# Altium PCB PCB_power.PcbDoc (part 1 of 2)
Units mil, origin at the board's own origin, x right, y up, seen from the top; angles counter-clockwise.
Board outline 3346.46 x 2204.72 mil, 6 copper layers (Top Layer, Layer 1, Layer 2, Layer 3, Layer 4, Bottom Layer), stack 32.112 mil thick; 134 components, 92 nets, 509 pads, 551 vias.
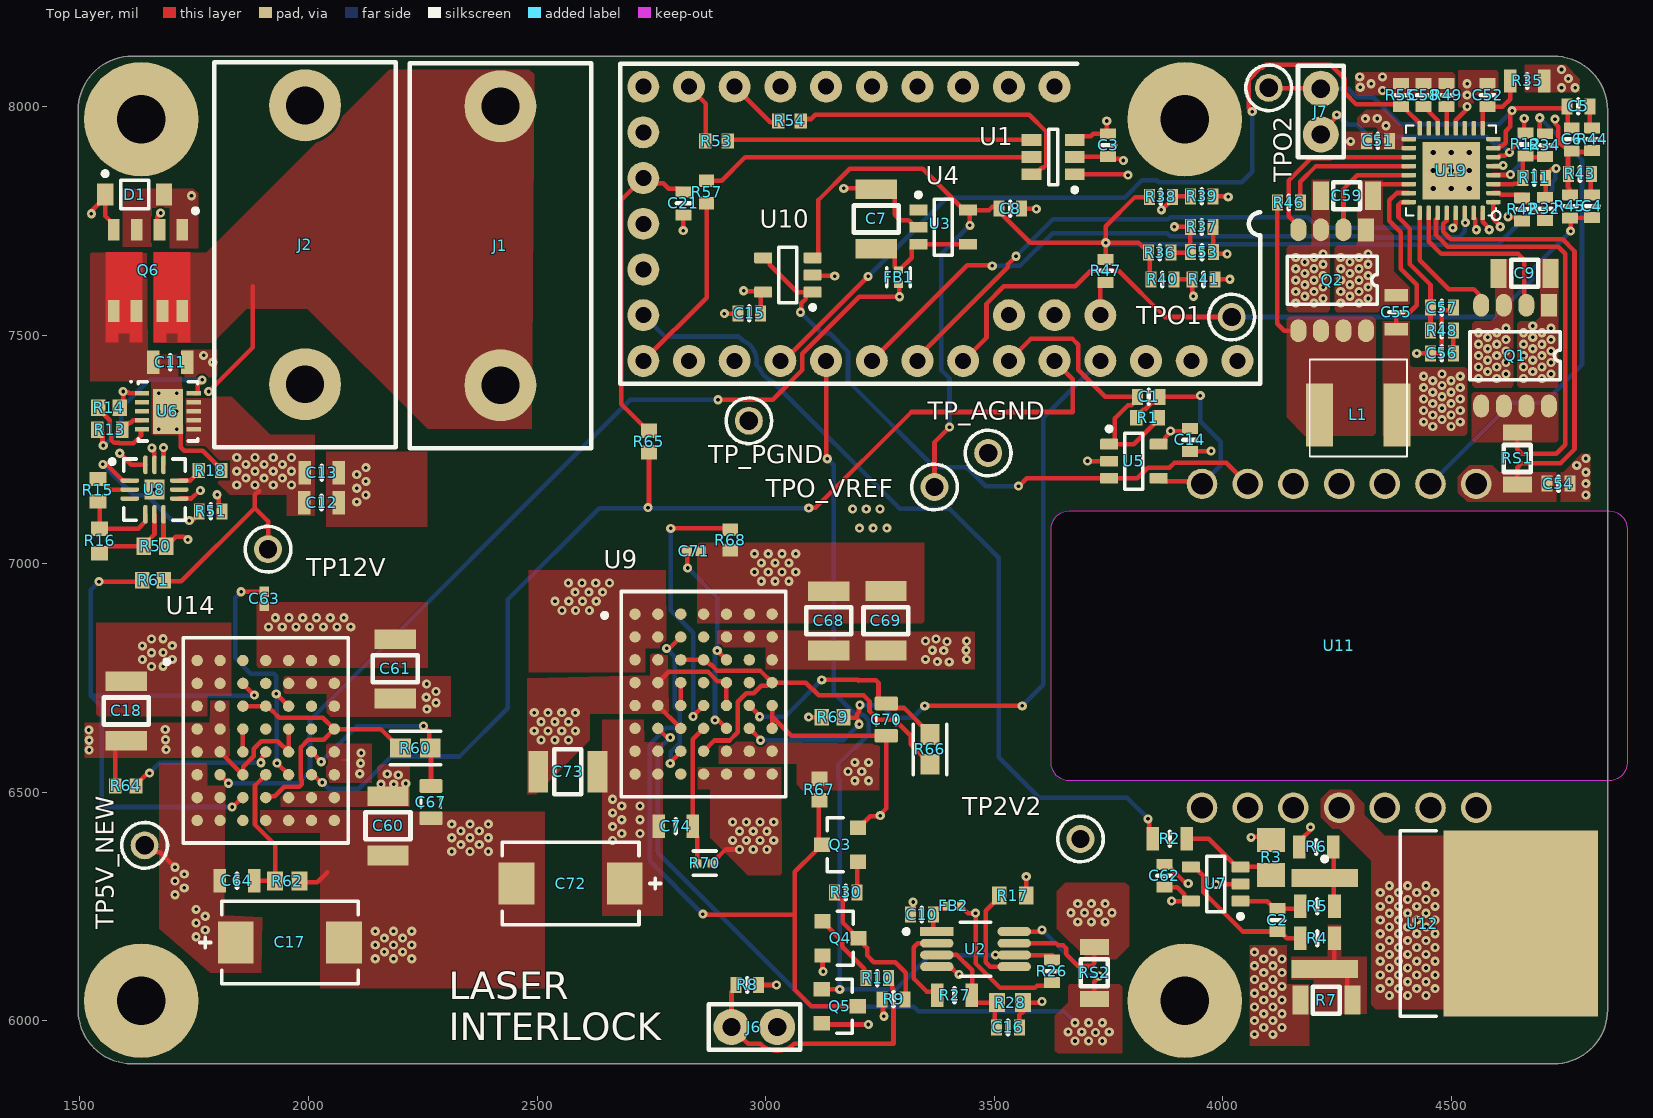
[diagram p0: Top Layer view]
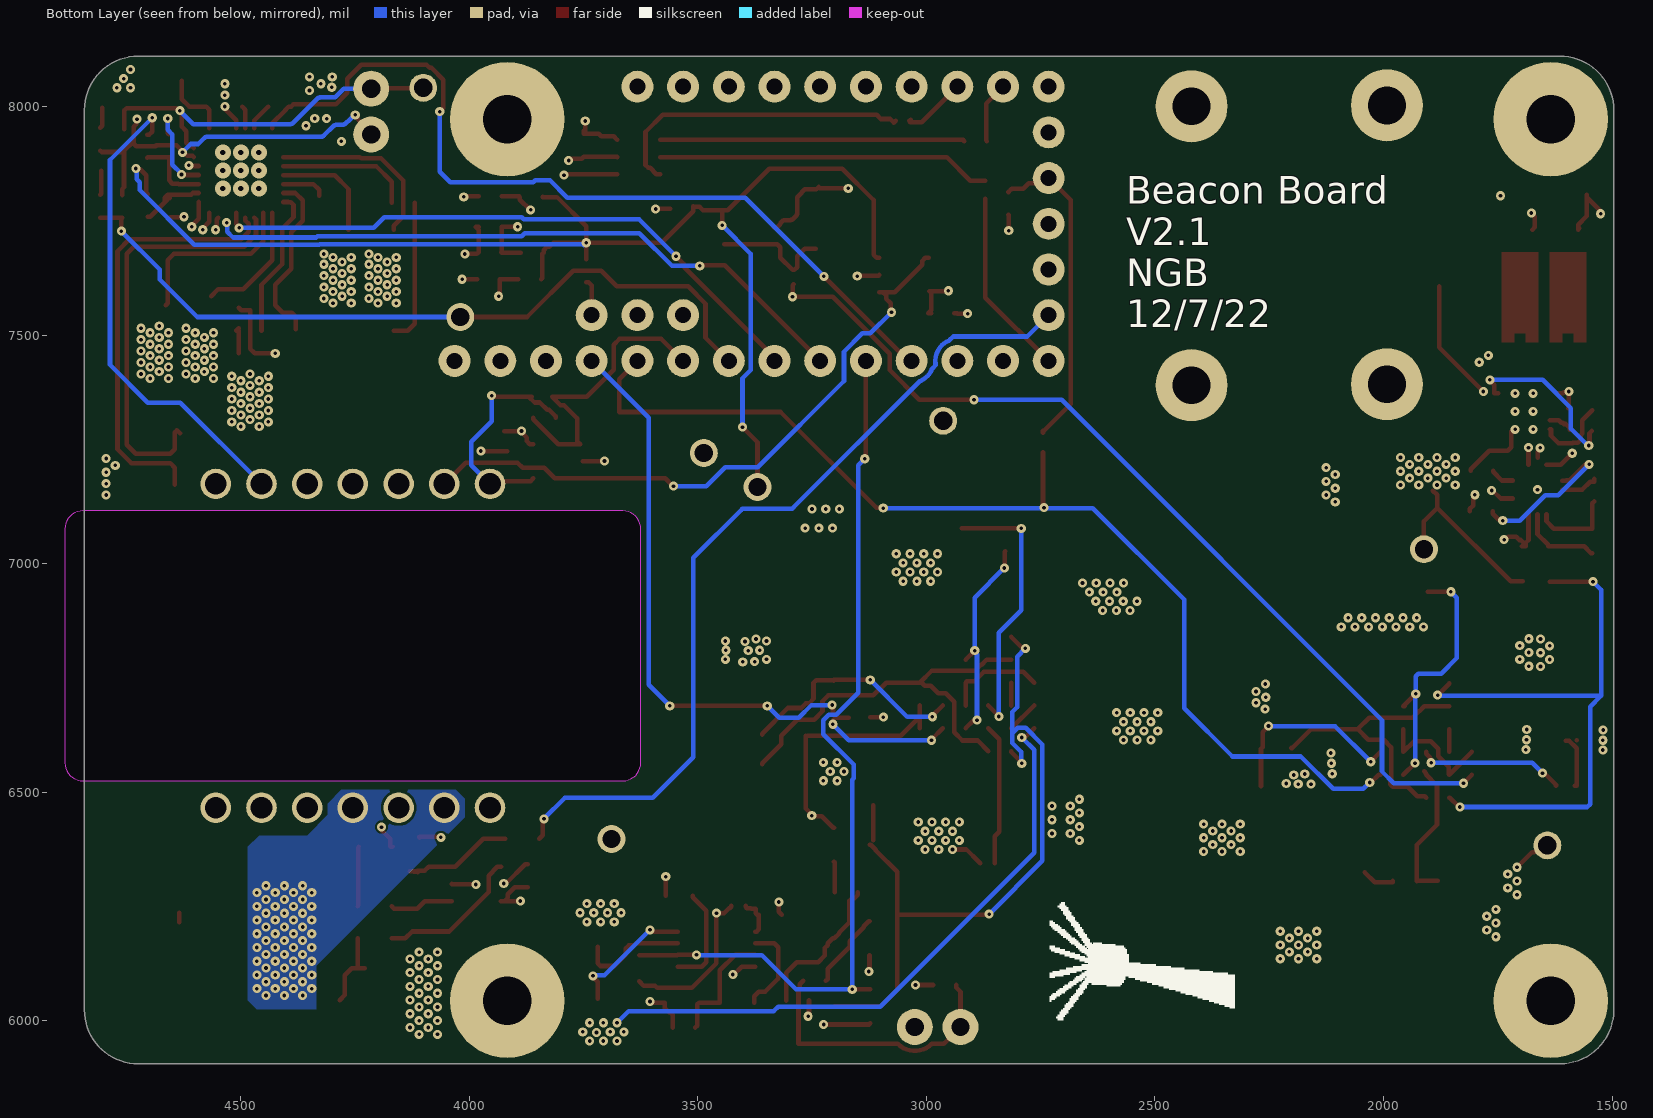
[diagram p1: Bottom Layer view, seen from below]
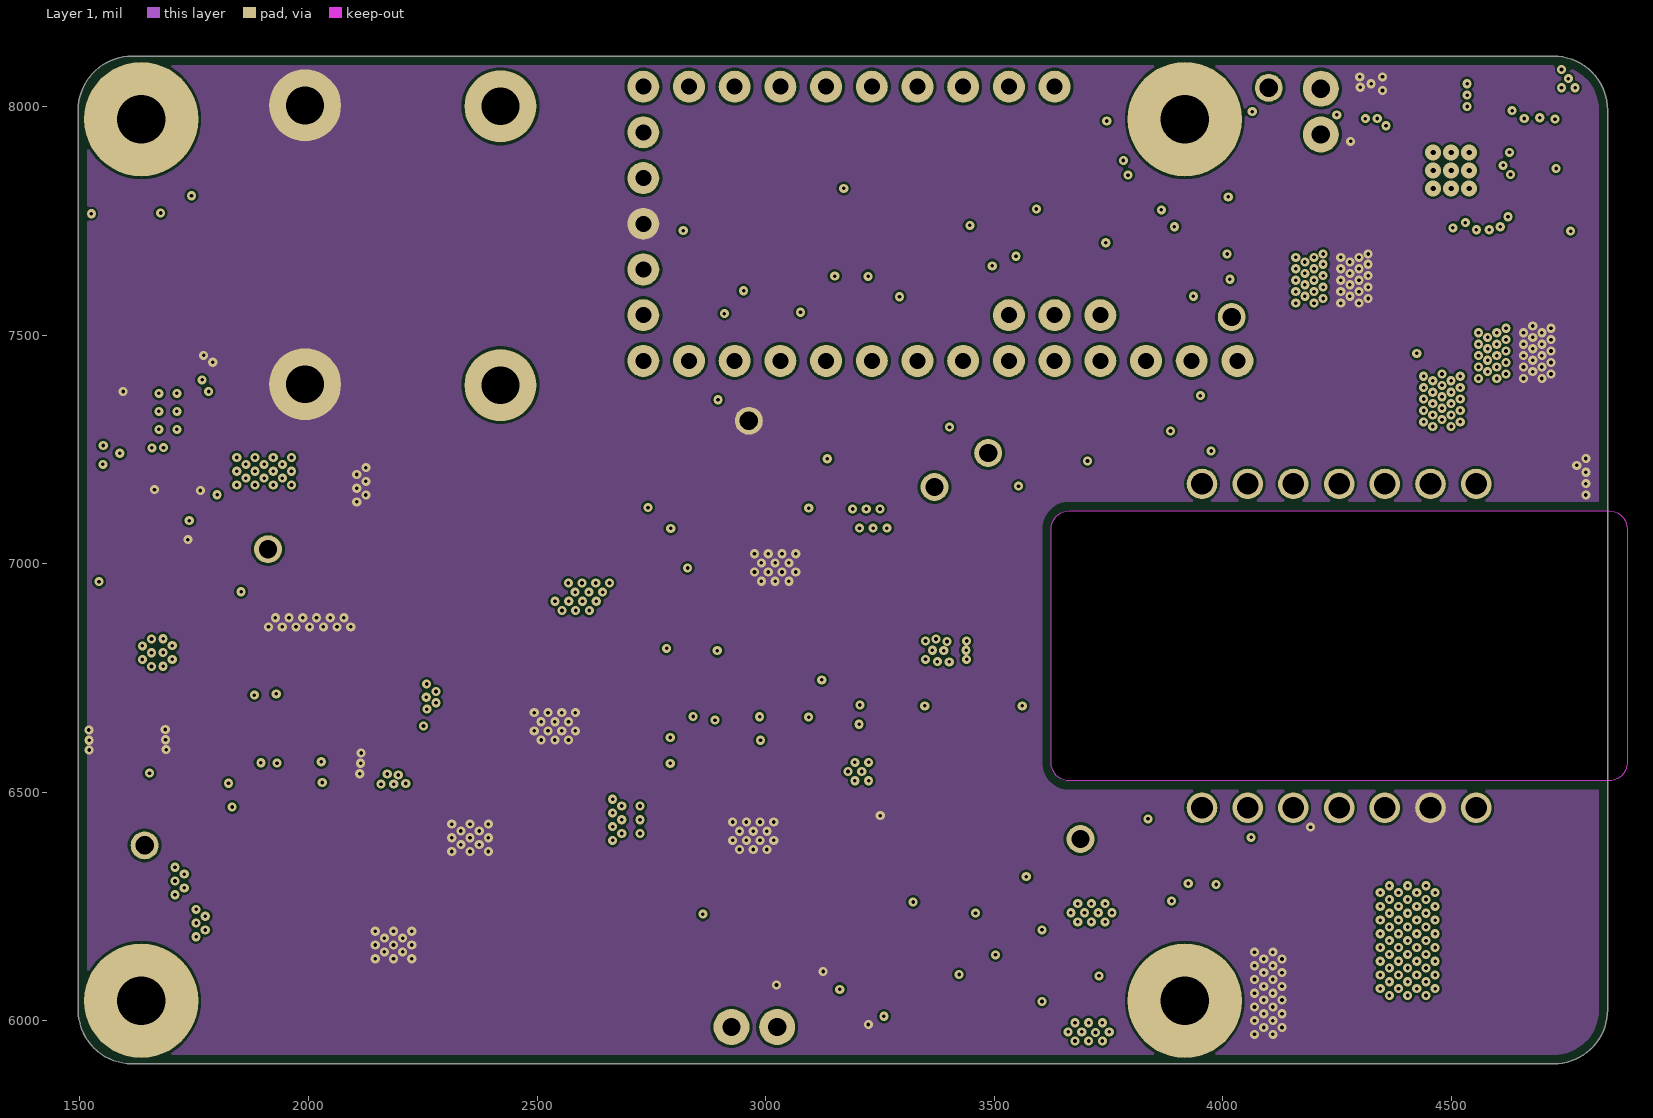
[diagram p2: Layer 1]
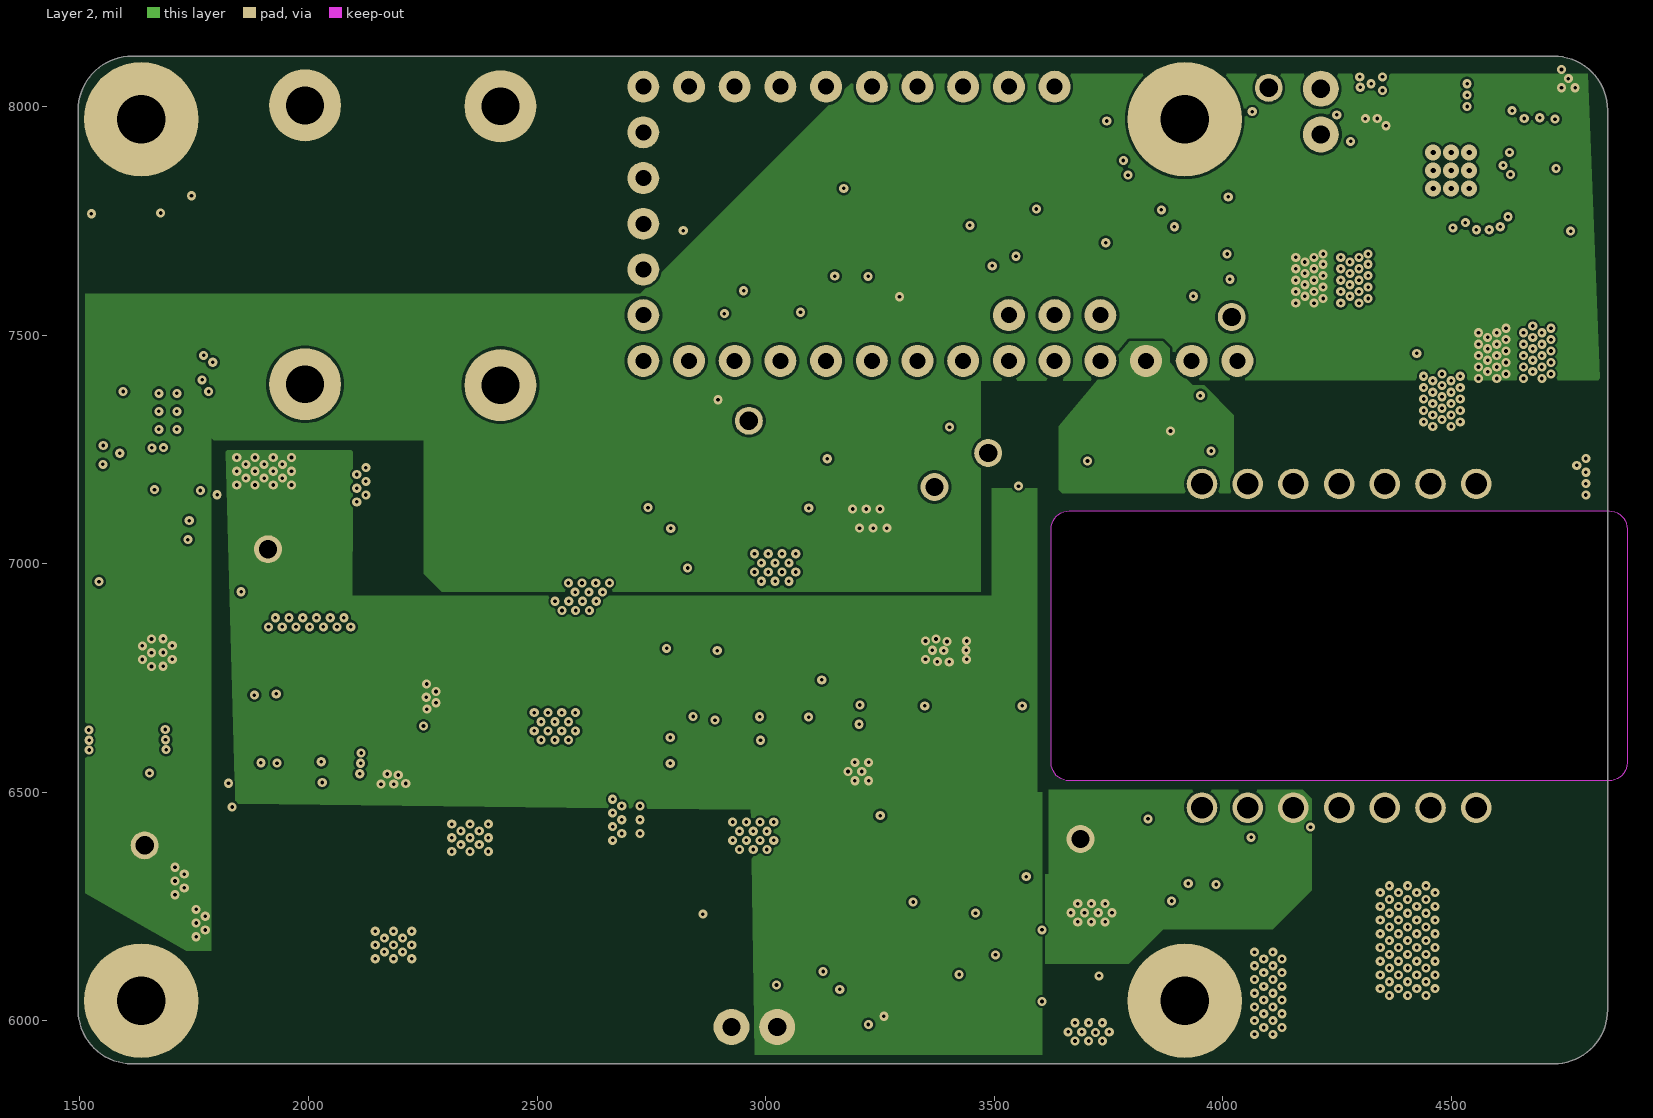
[diagram p3: Layer 2]
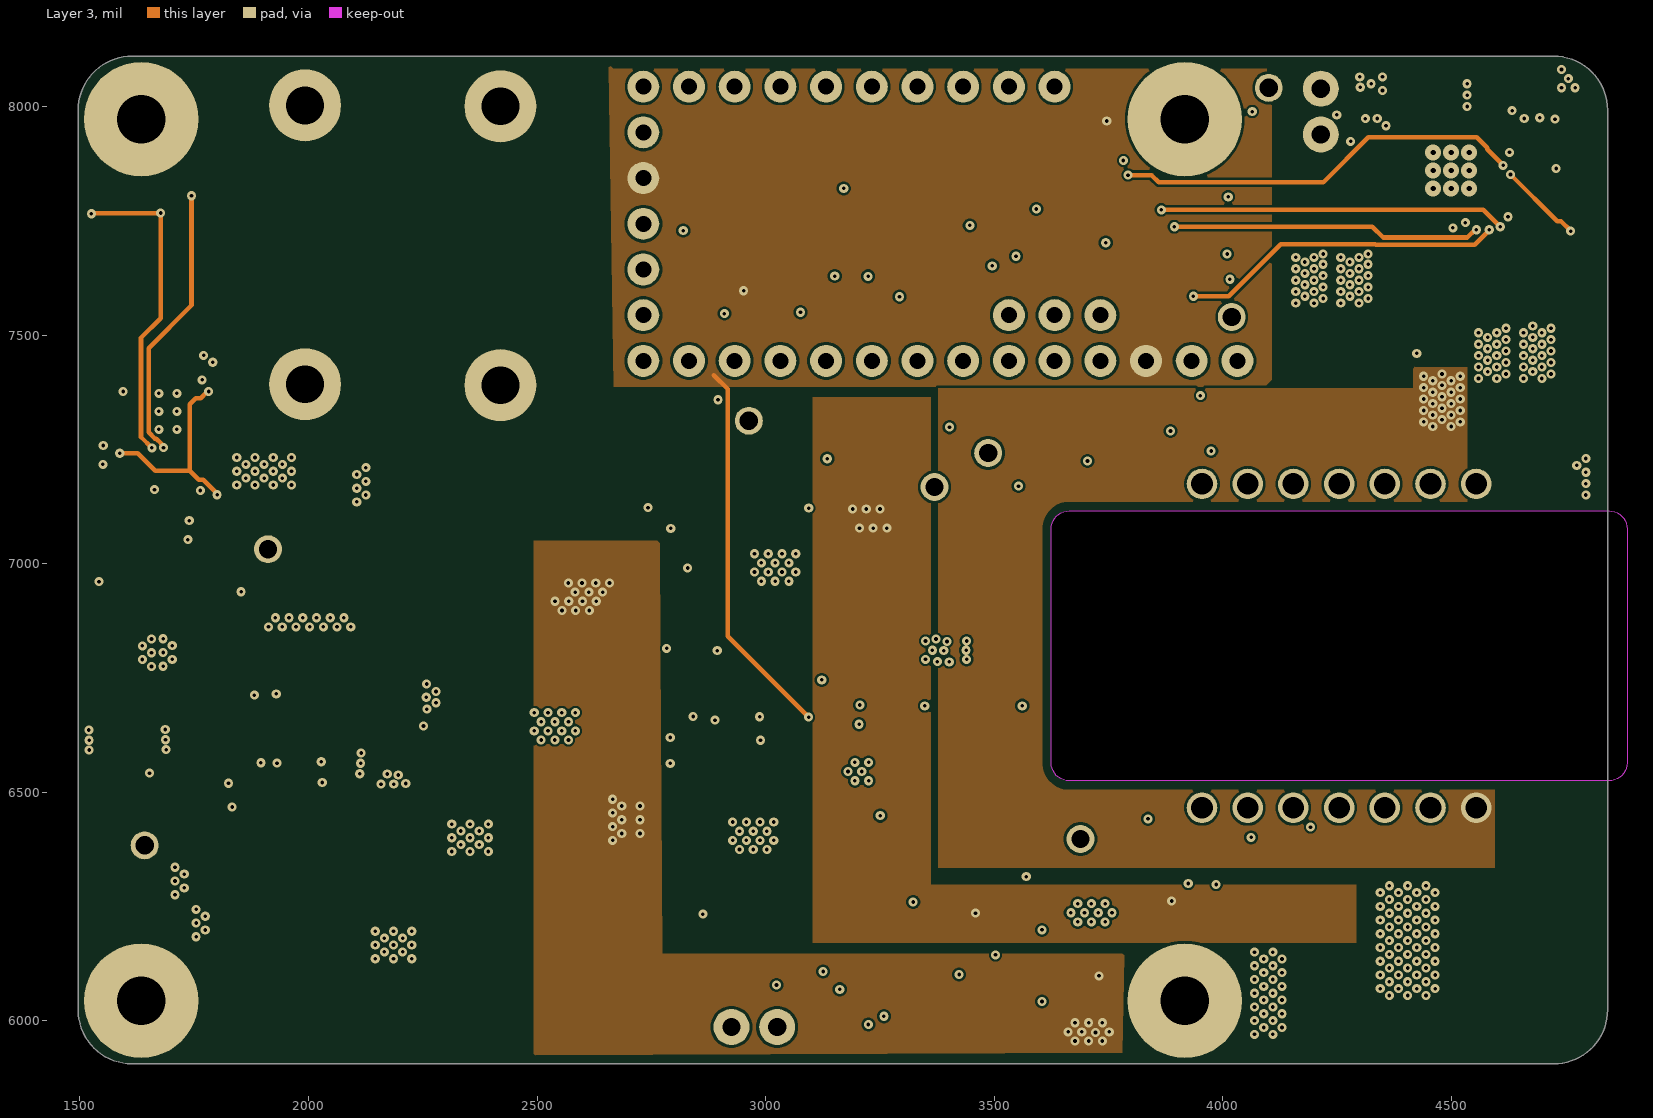
[diagram p4: Layer 3]
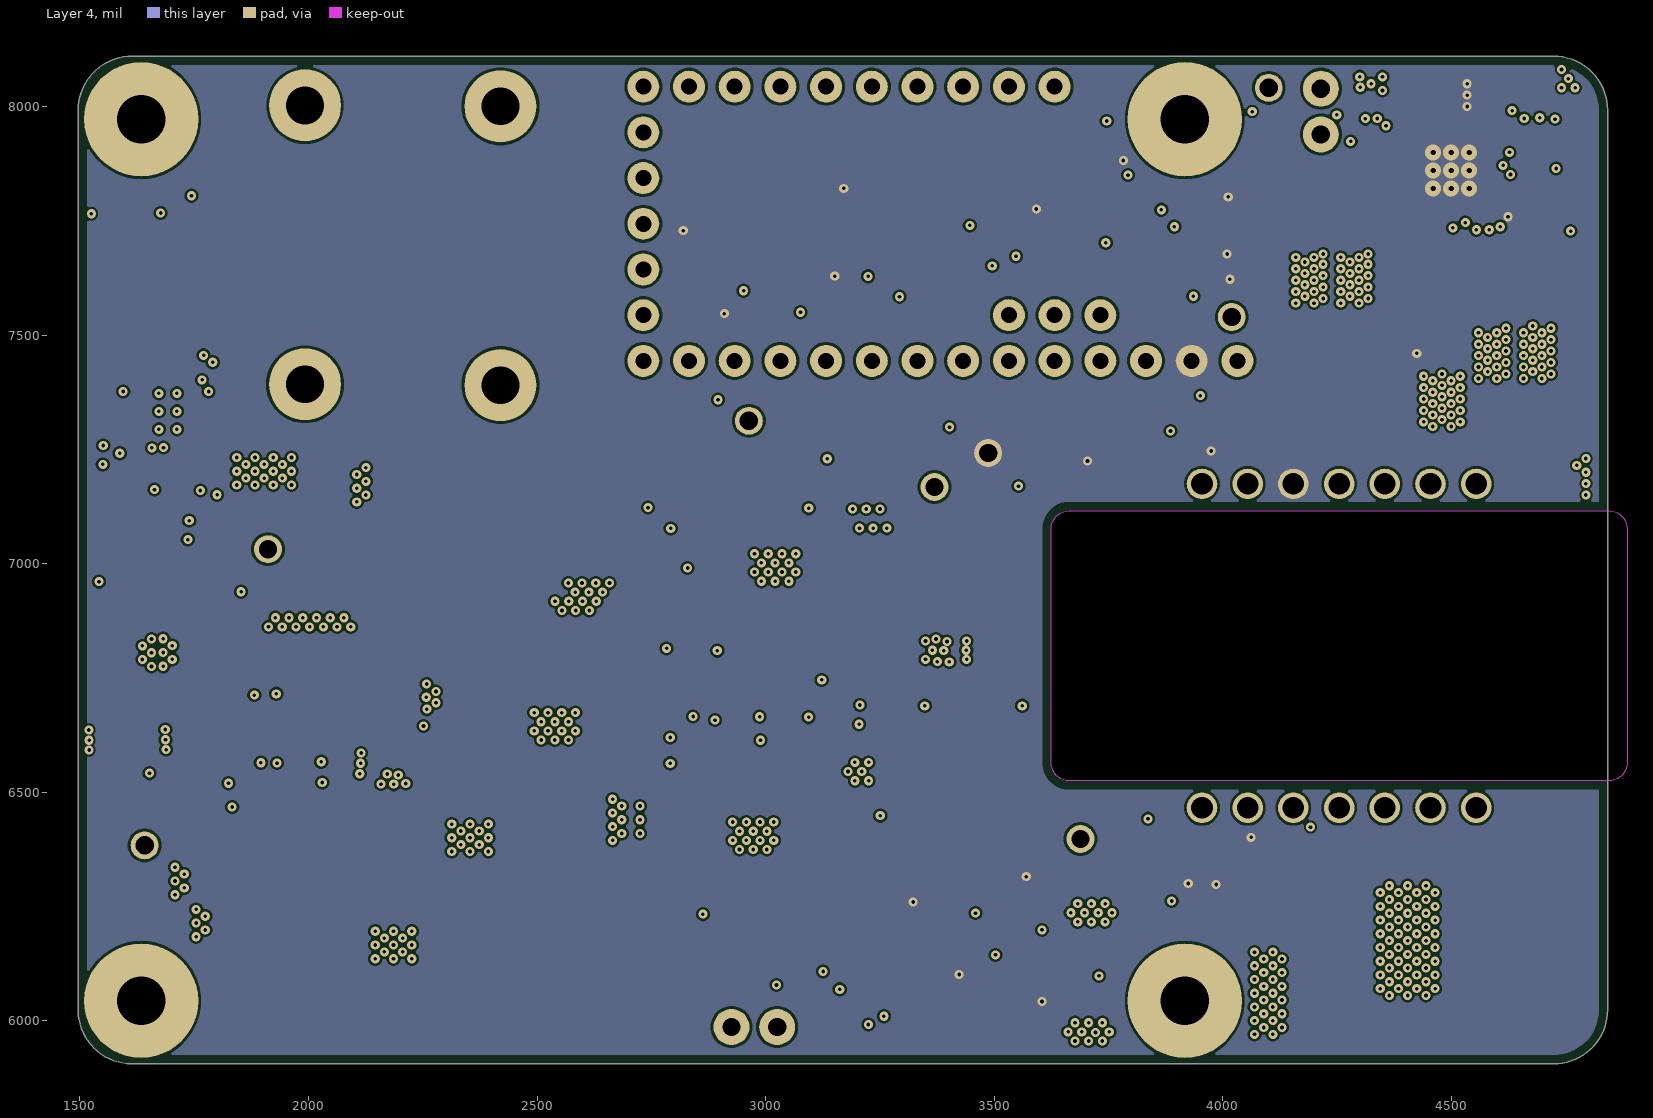
[diagram p5: Layer 4]

## Layer stack, top to bottom
Top Solder: solder mask 0.4, Solder Resist, Dk 3.5
Top Layer: signal copper 1.4
Dielectric 1: prepreg 2.8, PP-006, Dk 4.1
Layer 1: signal copper 1.378
Dielectric 2: prepreg 2.8, PP-006, Dk 4.1
Layer 2: signal copper 1.378
Dielectric 3: dielectric 12.6, FR-4, Dk 4.8
Layer 3: signal copper 1.378
Dielectric 4: prepreg 2.8, PP-006, Dk 4.1
Layer 4: signal copper 1.378
Dielectric 5: prepreg 2.8, PP-006, Dk 4.1
Bottom Layer: signal copper 1.4
Bottom Solder: solder mask 0.4, Solder Resist, Dk 3.5

## Board outline
1496.06,6023.62 1496.06,7992.13 cw(c1614.17,7992.13) 1614.17,8110.24 4724.41,8110.24 cw(c4724.41,7992.13) 4842.52,7992.13 4842.52,6023.62 cw(c4724.41,6023.62) 4724.41,5905.51 1614.17,5905.51 cw(c1614.17,6023.62)

## Design rules (kind name [scope] priority, off if disabled: settings)
Clearance [All] p1: gap=6 ignorepadtopadclearanceinfootprint=TRUE except(4: Arc-Text Arc-Hole Track-Text Track-Hole SMDPad-Text SMDPad-Hole THPad-Text THPad-Hole Via-Text Via-Hole Fill-Text Fill-Hole Poly-Text Poly-Hole Region-Text Region-Hole Text-Text Text-Hole; 5: SMDPad-Via Via-Via Via-Fill Via-Poly Via-Region; 8: Arc-THPad Track-THPad THPad-THPad)
HoleSize [All] p1: absolutevalues=TRUE maxlimit=500 minlimit=6 maxpercent=80.000 minpercent=20.000
MinimumSolderMaskSliver [All] p1 off: minsoldermaskwidth=10
PlaneConnect [All] p1: planeconnectstyle=Direct reliefexpansion=20 reliefentries=4 reliefconductorwidth=10 reliefairgap=10
PolygonConnect PolygonConnectPad [(InPadClass('All Pads'))] p1: connectstyle=Direct reliefconductorwidth=10 reliefentries=4 polygonreliefangle="90 Angle" airgapwidth=10
PolygonConnect PolygonConnect_rest [All] p2: connectstyle=Direct reliefconductorwidth=10 reliefentries=4 polygonreliefangle="90 Angle" airgapwidth=10
RoutingVias [All] p1: holewidth=8 width=20 viastyle="Through Hole" minholewidth=7.87 minwidth=20 maxholewidth=50 maxwidth=100 viatemplateguid#1={191AAEB9-C5C8-47EE-9A1E-635FF2006958} viatemplatename#1=v61h30
ShortCircuit Exception_AGND_PGND [InNet('PGND') vs InNet('AGND_U17') or InNet('AGND_U15')] p1: allowed=TRUE
ShortCircuit [InNet('No Net')] p2: allowed=FALSE
SilkToSilkClearance [All] p1 off: silktosilkclearance=10
SilkToSolderMaskClearance [IsPad] p1 off: minsilkscreentomaskgap=10 clearancetoexposedcopper=TRUE
SolderMaskExpansion SolderMaskExpansion_Pads [InPadClass('All Pads')] p1: expansion=1 istentingtop=FALSE
SolderMaskExpansion [All] p2: expansion=4 istentingtop=FALSE
Width [All] p1: maxlimit=100 minlimit=4 preferedwidth=10
24 further rules are at their usual default settings.

## Classes and differential pairs
component class U_TECController: C4 C5 C6 C9 C51 C52 C53 C54 C55 C56 C57 C58 C59 J7 L1 Q1 Q2 R11 R12 R32 R34 R35 R36 R37 R38 R39 R40 R41 R42 R43 R44 R45 R46 R48 R49 R55 RS1 TPO1 TPO2 U19
component class U_Power: C10 C11 C12 C13 C16 C17 C18 C60 C61 C63 C64 C67 C68 C69 C70 C71 C72 C73 C74 D1 FB2 Q3 Q4 Q5 Q6 R9 R10 R13 R14 R15 R16 R17 R18 R26 R27 R28 R30 R50 R51 R60 R61 R62 R64 R65 R66 R67 R68 R69 R70 RS2 TP2V2 TP5V_NEW TP12V TP_AGND TP_PGND U2 U6 U8 U9 U14
component class U_LaserDiode: C1 C2 C14 C15 C62 R1 R2 R3 R4 R5 R6 R7 U5 U7 U10 U11 U12
component class U_Connectors: C3 C7 C8 C21 FB1 J1 J2 J6 R8 R47 R53 R54 R57 TPO_VREF U1 U3 U4

## Components (designator, comment, footprint, x,y, rotation, side; value= is the part's Value field where it differs from the comment)
C1 "120pF" "0603 B" 3838.5,7365 r0 top
C2 "47pF" "0603 B" 4120,6220 r90 top
C3 "100nF" "0603 B" 3749.81,7915.51 r270 top
C4 "" "0603 B" 4807.81,7782 r90 top value="1 uF"
C5 "" "0603 B" 4778.5,8000.5 r180 top value=470nF
C6 "10nF" "0603 B" 4764,7928 r90 top
C7 "22uF" 1210 3242.5,7754 r90 top
C8 "100nF" "0603 B" 3535.5,7776.5 r0 top
C9 "68uF" "1206 B" 4661,7635 r180 top
C10 "100nF" "0603 B" 3342,6232 r180 top
C11 "1uF" "0805 B" 1697.5,7440.5 r180 top
C12 "4.7uF" "0805 B" 2028.5,7133.5 r180 top
C13 "4.7uF" "0805 B" 2029,7199 r180 top
C14 "100nF" "0603 B" 3928.5,7270.5 r270 top
C15 "100nF" "0603 B" 2964.5,7547.5 r180 top
C16 "100nF" "0603 B" 3530.5,5985 r180 top
C17 "47 uF" FP-T491D476K025AT-MFG 1959.5,6171 r180 top
C18 "22u" 1210 1601,6677.5 r90 top
C21 "1uF" "0603 B" 2820.5,7788 r90 top
C51 "100nF" "0603 B" 4340,7925 r180 top
C52 "100nF" "0603 B" 4580,8025 r90 top
C53 "100nF" "0603 B" 3955,7681.5 r0 top
C54 "100nF" "0603 B" 4735,7175 r180 top
C55 "47uF" "0805 B" 4380,7550 r270 top
C56 "4.7nF" "0603 B" 4480,7460 r180 top
C57 "100pF" "0603 B" 4480,7560 r0 top
C58 "100nF" "0603 B" 4440,8025 r270 top
C59 "68uF" "1206 B" 4272,7805 r180 top
C60 "22u" 1210 2174,6426 r90 top
C61 "22u" 1210 2190,6769.5 r270 top
C62 "100nF" "0603 B" 3872.5,6317 r90 top
C63 "Capacitor 0.1 uF +/- 5% 16 V 0402" CAPC1005X56X25LL10T15 1903.5,6923.5 r90 top value=100nF
C64 "68p" "0805 B" 1843.5,6306 r180 top
C67 "Capacitor 4.7µF +/-40% 25V 0805" CAPC0805(2012)145_L 2268,6478 r270 top value=4.7µF
C68 "22u" 1210 3138,6874.5 r270 top
C69 "22u" 1210 3263.5,6875 r270 top
C70 "Capacitor 4.7µF +/-40% 25V 0805" CAPC0805(2012)145_L 3264,6658.57 r270 top value=4.7µF
C71 "Capacitor 0.1 uF +/- 5% 16 V 0402" CAPC1005X56X25LL10T15 2843,7027 r180 top value=100nF
C72 "47 uF" FP-T491D476K025AT-MFG 2573.5,6300 r0 top
C73 "22u" 1210 2567.5,6544.5 r0 top
C74 "68p" "0805 B" 2803.44,6425.5 r180 top
D1 "MMSZ4692T1G" ONSC-SOD-123-2-425-04_V 1619.5,7807.5 r0 top
FB1 "BLM15AG102SN1D" FP-BLM15-MFG 3291,7626.75 r270 top
FB2 "BLM15AG102SN1D" FP-BLM15-MFG 3411.5,6251 r0 top
J1 "24.243.1" "BANANA RD" 2420,7695.5 r90 top
J2 "24.243.2" "BANANA BK" 1992.5,7697.5 r90 top
J6 "SIL02" SIL02 2975.5,5986 r0 top
J7 "SIL02" SIL02 4215,7989 r90 top
L1 "3.3uH" SRP0520 4297,7340.5 r180 top
Q1 "FDS8960C" SO-8 4640,7455 r270 top
Q2 "FDS8960C" SO-8 4240,7620 r270 top
Q3 "DMN6140L-13" FP-SOT23-MFG 3163,6385 r180 top
Q4 "DMN6140L-13" FP-SOT23-MFG 3164,6180 r0 top
Q5 "DMN6140L-13" FP-SOT23-MFG 3162.5,6031.5 r0 top
Q6 "BSC150N03LD G" INF-PG-TDSON-8-4_V 1649,7619.68 r180 top
R1 "100 Ohm" RESC1608X55X30LL15T15 3836,7319 r0 top
R2 "62K" 0805 3884.5,6398 r180 top
R3 "3.3 kΩ" RESC2013X70X40ML20T20 4106,6357 r270 top
R4 "1k" 0805 4207.4,6180 r180 top
R5 "10" 0805 4207.4,6250 r180 top
R6 "10k" 0805 4205,6380 r180 top
R7 "0.025" 1206 4227,6045 r0 top
R8 "90k" 0603 2960,6078 r180 top
R9 "90k" 0603 3280,6046.54 r180 top
R10 "10k" 0603 3244.5,6093 r0 top
R11 "" 0603 4682,7844 r0 top value=11.5k
R12 "16.5k" 0603 4663,7917 r270 top
R13 "10Ohm" RESC1608X55X25NL10T15 1565.32,7292.78 r0 top
R14 "1k" RESC1608X55X30LL20T20 1563.5,7341 r180 top
R15 "84.5 kΩ" RESC1609X50X30NL10T20 1539,7160.5 r90 top
R16 "6.34 kΩ" RESC1608X55X30NL15T15 1543,7049.5 r90 top
R17 "0 Ohm" RESC1608X55X25ML10T15 3541,6273.5 r0 top
R18 "100 Ohm" RESC1608X55X30LL15T15 1784.5,7203.5 r0 top
R26 "10k" 0603 3626.5,6108 r90 top
R27 "10k" 0805 3413.5,6055.5 r0 top
R28 "2 kOhm" RESC1608X55X30ML15T15 3535,6039.5 r180 top
R30 "10k" 0603 3175.5,6280.5 r180 top
R32 "20k" 0603 4705,7776 r90 top
R34 "4.99k" 0603 4705,7915.5 r270 top
R35 "5" 0805 4666.5,8056 r0 top
R36 "30k" 0603 3862.5,7680.5 r180 top
R37 "20k" 0603 3954.5,7736.5 r180 top
R38 "10k" 0603 3865,7802.5 r180 top
R39 "90k" 0603 3954.5,7803.5 r180 top
R40 "24.3k" 0603 3868.31,7621.83 r180 top
R41 "20k" 0603 3958.31,7621.83 r180 top
R42 "20k" 0603 4655.5,7775 r90 top
R43 "24.9k" 0603 4782,7852.5 r0 top
R44 "249k" 0603 4808.81,7928.5 r270 top
R45 "249k" 0603 4759.81,7781.5 r270 top
R46 "1k" 0603 4145,7790 r180 top
R47 "0 Ohm" 0603 3744,7640.5 r270 top
R48 "4.75k" 0603 4480,7510 r0 top
R49 "249k" 0603 4490,8025 r270 top
R50 "8.2 kΩ" RESC1609X50X30NL10T20 1664.5,7038 r180 top
R51 "100k" 0603 1786,7114.5 r0 top
R53 "100 Ohm" RESC1608X55X30LL15T15 2892.5,7924.5 r0 top
R54 "100 Ohm" RESC1608X55X30LL15T15 3052.5,7968.5 r0 top
R55 "100k" 0603 4390,8025 r270 top
R57 "100 Ohm" RESC1608X55X30LL15T15 2871,7813 r90 top
R60 "2.2 Ω" FP-CRCW0603-HPe3-IPC_A 2234,6596.5 r0 top
R61 "10k" RESC1608X55X30LL20T20 1660,6963.5 r180 top
R62 "8.2 kΩ" RESC1609X50X30ML10T20 1953.5,6305.5 r0 top
R64 "32.4 kΩ" RESC1609X50X30LL10T20 1600,6513.5 r180 top
R65 "10k" RESC1608X55X30LL20T20 2745,7267 r90 top
R66 "2.2 Ω" FP-CRCW0603-HPe3-IPC_A 3359.5,6593.5 r90 top
R67 "10k" RESC1608X55X30LL20T20 3118,6505.5 r270 top
R68 "32.4 kΩ" RESC1609X50X30LL10T20 2923,7051.5 r270 top
R69 "10k" RESC1608X55X30LL20T20 3146.88,6664 r180 top
R70 "22.6 kΩ" FP-CRCW0402-e3-IPC_C 2866.67,6344.5 r0 top
RS1 "0.01" 1206 4645,7230 r90 top
RS2 "0.005" 1206 3719.5,6104.5 r270 top
TP2V2 "5001" KSTN-5001 3689,6397.5 r180 top
TP5V_NEW "5001" KSTN-5001 1641.5,6383.5 r90 top
TP12V "5001" KSTN-5001 1911.5,7031.5 r0 top
TP_AGND "5001" KSTN-5001 3487.12,7241.95 r90 top